# Allegro board 1156197-TDI_VU3P_QSFP28_CXP_V001_1023A-166-20241121_1644_PCB.brd (continued)
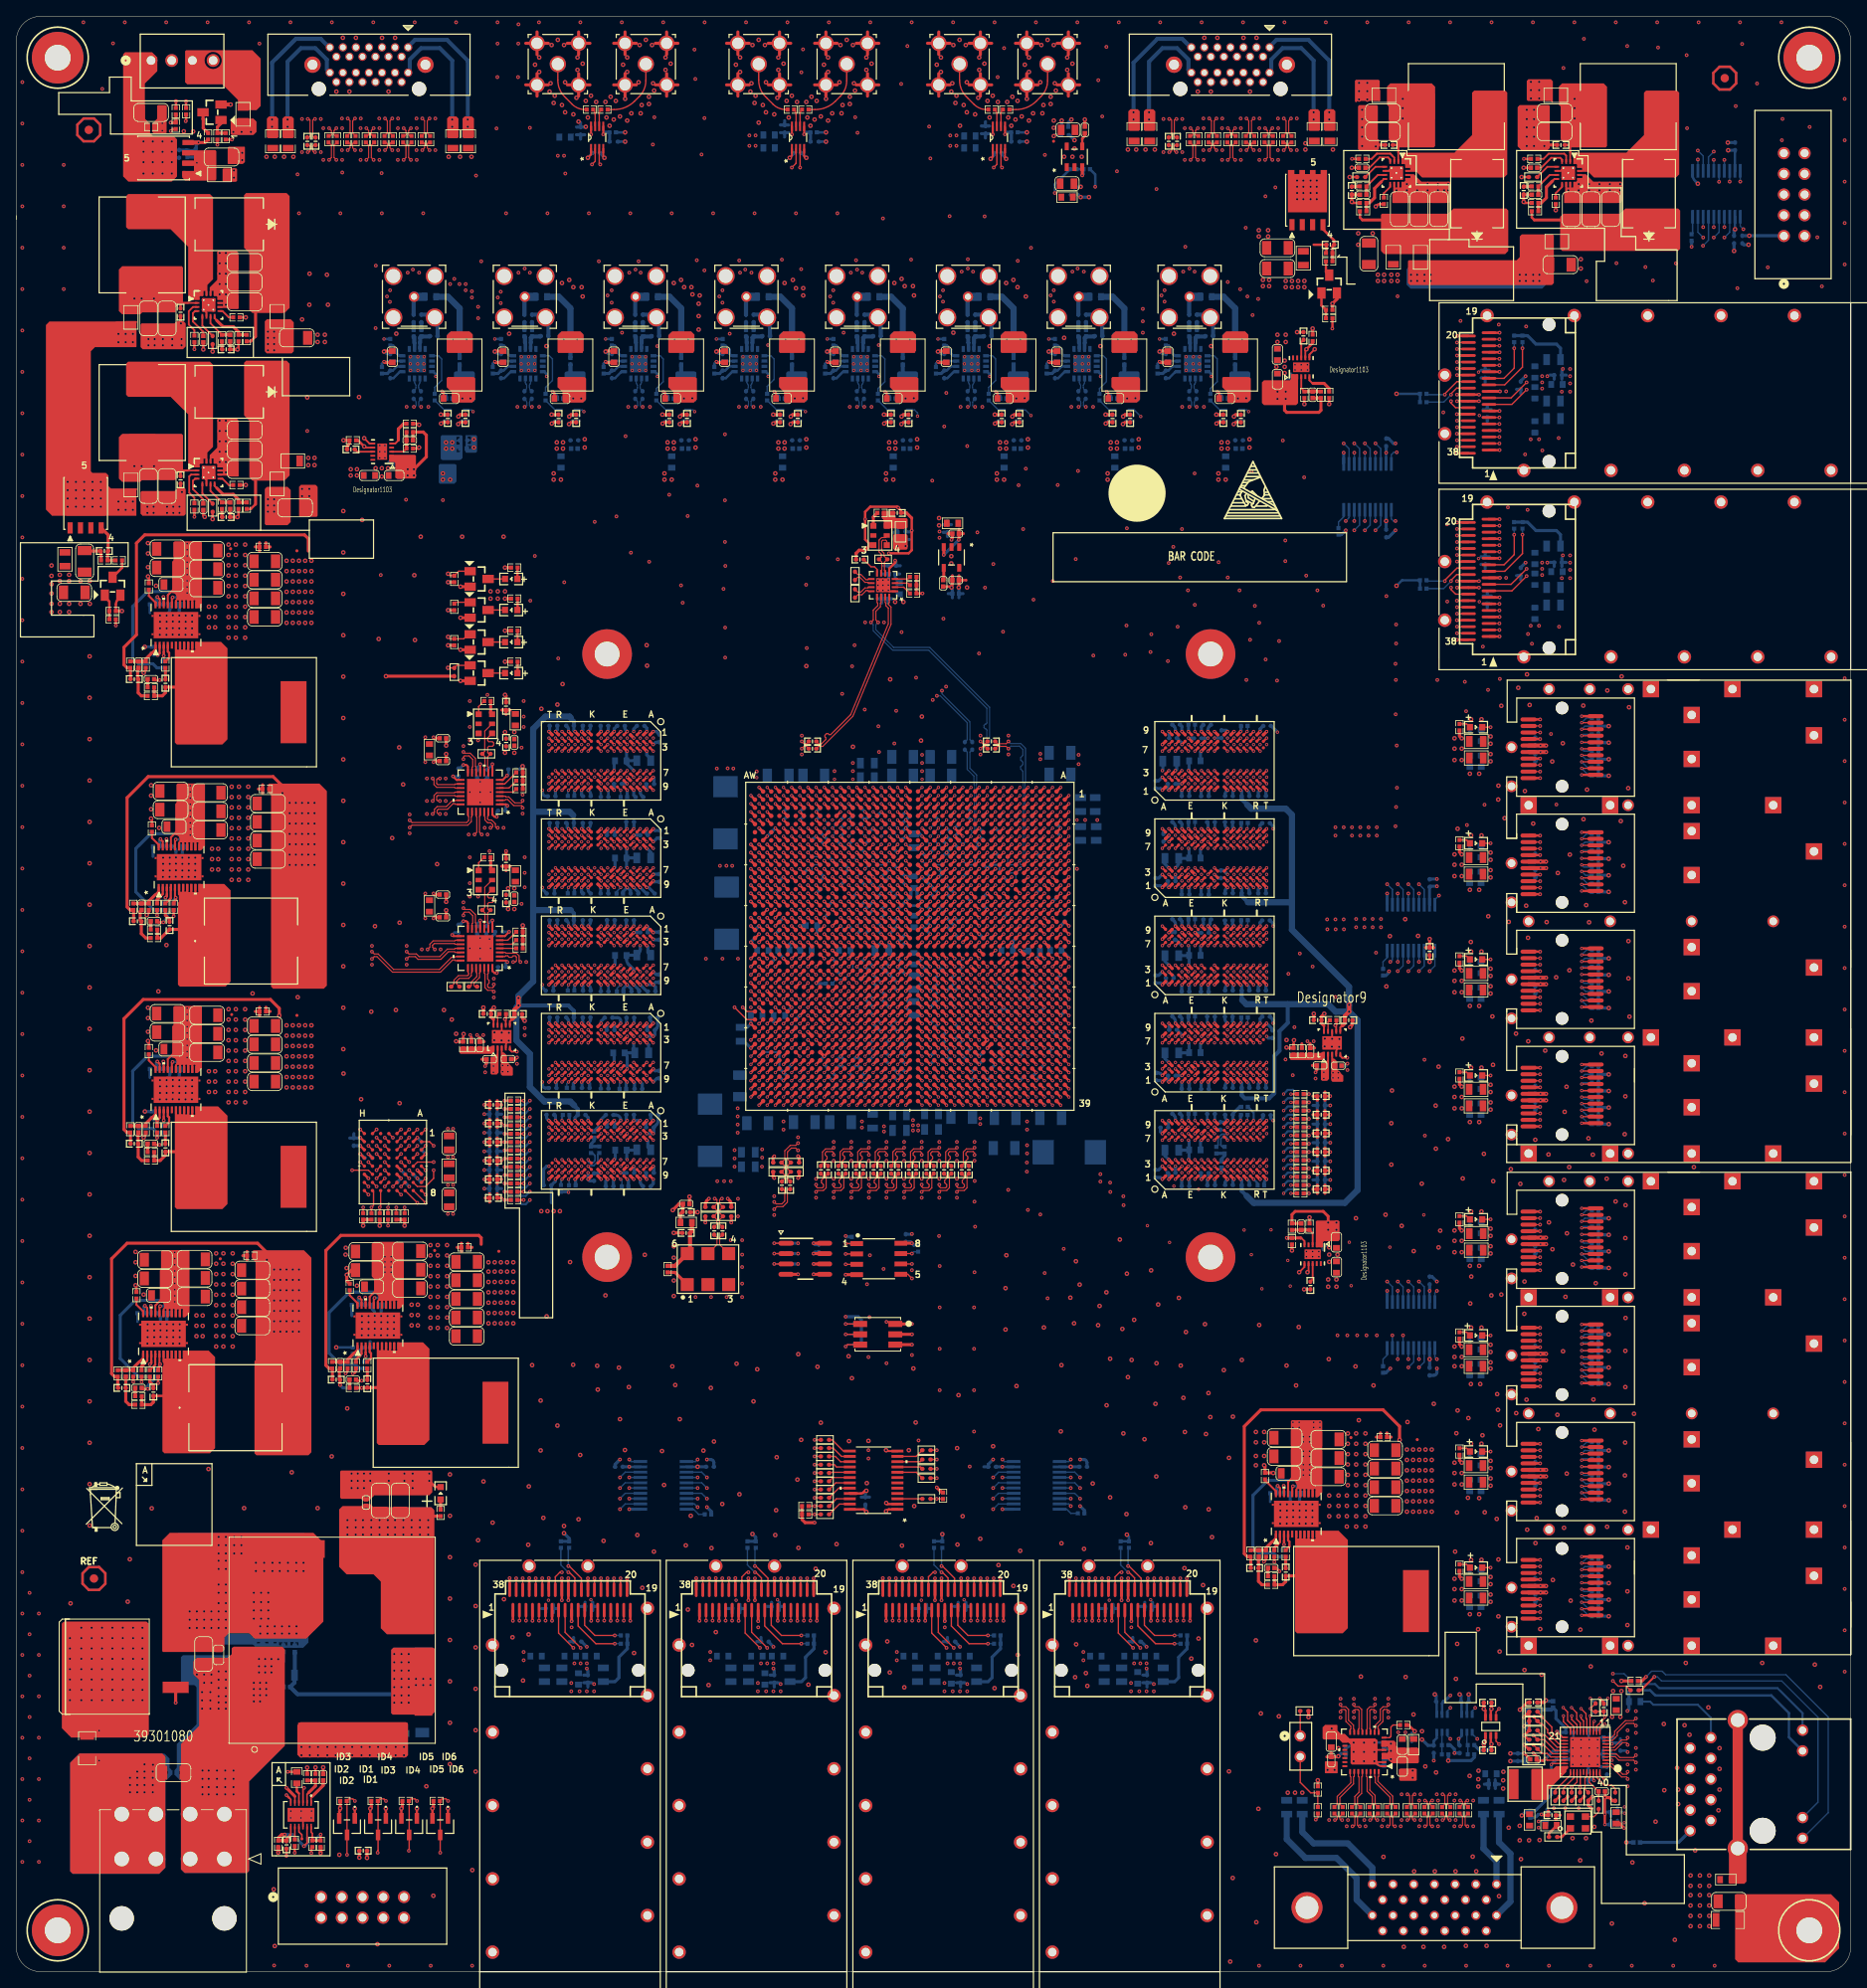
[diagram p0: board, top side]
## Routing (per net, layer and track width the routed paths; a pad name or vN(x,y) marks a point on that pad's centre or on a via; arc(x,y) is an arc through that point) (continued)
C332.2 ; C170.1 U1.J36 v3(121.1,109.36) ; R14.2 v1(115.1,138.36) ; C489.2 184.53,172.35 v1(185.12,172.94) ; C416.2 163.09,111.2 ; C307.2 74.84,116.49 v3(74.93,116.4) ; C298.2 77.35,120.32 v3(76.53,121.14) ; U1.AF24 v1(104.1,122.36) ; v1(108.1,137.36) 107.6,137.86 C121.2 ; C378.2 140.63,147.48 v3(140.56,147.42) ; C878.2 104.65,58.25 ; C878.2 103.63,58.25 ; R16.2 116.62,137.87 v1(117.1,138.36) ; 106.42,172.57 C856.2 ; v3(142.17,104.46) 142.17,104.74 arc(142.13,104.92) 142.02,105.08 C399.2 ; C26.2 v2(209.93,224.5) ; R88.2 68.45,144.93 v3(68.53,145.01) ; C231.2 106.57,114.82 v1(106.1,114.36) ; C295.2 70.42,152.67 arc(70.39,152.52) 70.3,152.39 v3(70.13,152.22) ; v3(72.53,128.34) 72.45,128.42 C243.2 ; R128.1 143.77,128.34 v3(143.77,128.34) ; C419.2 153.86,104.77 v3(154.16,104.46) ; C236.2 64.53,120.8 v3(64.53,121.14) ; v3(143.77,114) 143.85,113.92 C361.2 143.82,112.78 C360.2
  BOTTOM w0.508: C600.1 119.62,202.69 J21.2 118.93,203.38 C594.1 ; C622.1 132.52,203.38 J24.2 133.21,202.69 C625.1 ; C550.1 50.98,203.38 J18.2 51.67,202.69 C553.1 ; C570.1 91.75,203.38 J19.2 92.44,202.69 C576.1 ; C552.1 65.26,202.69 J17.2 64.57,203.38 C546.1 ; C598.1 105.34,203.38 J22.2 106.03,202.69 C601.1 ; C577.1 78.85,202.69 J20.2 78.16,203.38 C574.1 ; C618.1 146.11,203.38 J23.2 146.8,202.69 C624.1
  vias: v1(0.74,231.92) v1(0.74,226.84) v1(0.74,221.76) v1(0.74,216.68) v1(0.74,211.6) v1(0.74,206.52) v1(0.74,201.44) v1(0.74,196.36) v1(0.74,191.28) v1(0.74,186.2) v1(0.74,181.12) v1(0.74,176.04) v1(0.74,170.96) v1(0.74,165.88) v1(0.74,160.8) v1(0.74,155.72) v1(0.74,150.64) v1(0.74,145.56) v1(0.74,140.48) v1(0.74,135.4) v1(0.74,130.32) v1(0.74,125.24) v1(0.74,120.16) v1(0.74,115.08) v1(0.74,110) v1(0.74,104.92) v1(0.74,99.84) v1(0.74,94.76) v1(0.74,89.68) v1(0.74,84.6) v1(0.74,79.52) v1(0.74,74.44) v1(0.74,69.36) v1(0.74,64.28) v1(0.74,59.2) v1(0.74,54.12) v1(0.74,49.04) v1(0.74,43.96) v1(0.74,38.88) v1(0.74,33.8) v1(0.74,28.72) v1(0.74,23.64) v1(0.74,18.56) v1(0.74,13.48) v1(1.63,46.5) v1(1.63,41.42) v1(1.63,36.34) v1(1.63,31.26) v1(1.63,26.18) v1(1.63,21.1) v1(1.63,16.02) v1(2.77,43.96) v1(2.77,38.88) v1(2.77,33.8) v1(2.77,28.72) v1(2.77,23.64) v1(2.77,18.56) v1(2.77,13.48) v1(5.82,221.76) v1(5.82,216.68) v1(5.82,211.6) v1(5.82,206.52) v1(8.23,239.26) v1(10.54,231.09) v1(11.86,236.68) v1(13.31,239.26) v1(17.91,226.87) v1(17.91,225.96) v1(18.39,239.26) v1(23.47,239.26) v1(28.55,239.26) v1(29.82,236.65) v1(31.62,0.76) v1(33.63,239.26) v1(34.49,220.6) v1(34.67,215.82) v1(35.04,227.39) v1(35.04,223.33) v1(35.59,0.74) v1(35.69,189.1) v1(37.35,227.39) v1(37.35,223.33) v1(37.66,226.26) v1(37.66,222.38) v1(38.71,239.26) v1(39.75,215.82) v1(39.94,227.46) v1(39.94,223.57) v1(39.97,226.26) v1(39.97,222.38) v1(39.98,220.83) v1(40.67,0.74) v1(42.23,226.26) v1(42.23,222.38) v1(42.25,227.46) v1(42.25,223.57) v1(43.62,125.91) v1(43.62,123.6) v1(43.79,239.26) v1(44.09,209.4) v1(44.07,201.73) v1(44.51,227.46) v1(44.54,226.26) v1(44.51,223.57) v1(44.54,222.38) v1(44.7,171.42) v1(44.81,220.75) v1(44.83,215.82) v1(45.47,205.61) v1(45.85,206.38) v1(45.82,204.95) v1(45.75,0.74) v1(46.82,227.46) v1(46.8,226.26) v1(46.82,223.57) v1(46.8,222.38) v1(47.8,180.67) v1(47.88,192.07) v1(47.88,125.91) v1(47.88,123.6) v1(48.01,208.53) v1(48.25,142.04) v1(48.25,139.72) v1(48.64,208.91) v1(48.87,239.26) v1(49.09,227.46) v1(49.11,226.26) v1(49.09,223.57) v1(49.11,222.38) v1(49.4,208.53) v1(49.73,125.48) v1(49.91,215.82) v1(50.36,146.45) v1(50.36,143.69) v1(50.36,142.1) v1(50.54,192.07) v1(50.83,0.74) v1(51.4,227.46) v1(51.4,223.57) v1(52.05,125.48) v1(52.32,180.62) v1(52.67,146.45) v1(52.67,143.69) v1(52.67,142.1) v1(52.94,103.46) v1(52.94,93.01) v1(53.21,207.14) v1(53.57,103.46) v1(53.57,93.01) v1(53.72,207.77) v1(53.95,239.26) v1(54.36,207.14) v1(54.84,150.43) v1(54.84,131.25) v1(55.12,207.14) v1(55.12,206.38) v1(55.49,139.57) v1(55.63,155.96) v1(55.63,154.43) v1(55.63,152.78) v1(55.63,151.13) v1(55.63,144.78) v1(55.63,136.78) v1(55.63,135.25) v1(55.63,133.6) v1(55.63,131.95) v1(55.63,125.6) v1(55.68,114.96) v1(55.88,206.25) v1(55.88,205.49) v1(55.91,0.74) v1(56.39,220.45) v1(56.52,114.96) v1(56.64,204.34) v1(56.64,202.95) v1(56.64,151.13) v1(56.64,131.95) v1(56.9,144.78) v1(56.9,143.51) v1(56.9,125.6) v1(56.9,124.33) v1(57.02,209.93) v1(57.28,114.96) v1(57.45,140.4) v1(57.51,111.15) v1(57.51,110.39) v1(57.78,156.72) v1(57.8,139.57) v1(58.04,137.54) v1(58.17,144.78) v1(58.17,125.6) v1(58.57,121.88) v1(58.57,119.57) v1(58.9,226.24) v1(59.03,239.26) v1(59.03,236.65) v1(59,232.54) v1(59.05,205.49) v1(59.42,206.19) v1(59.42,204.8) v1(59.76,140.4) v1(60.07,215.82) v1(61.42,112.22) v1(61.42,111.43) v1(61.54,232.54) v1(61.46,192.07) v1(61.59,239.01) v1(61.57,236.65) v1(61.59,208.53) v1(61.98,150.24) v1(61.98,131.06) v1(62.1,144.45) v1(62.1,142.14) v1(62.23,155.96) v1(62.23,154.05) v1(62.23,152.78) v1(62.23,39.24) v1(62.23,38.23) v1(62.36,209.04) v1(62.36,136.78) v1(62.36,134.87) v1(62.36,133.1) v1(62.54,123.93) v1(62.99,226.31) v1(62.99,208.53) v1(63.04,168.28) v1(63.6,173.76) v1(64.11,239.26) v1(64.13,192.07) v1(65.15,215.82) v1(66.47,161.19) v1(67.21,170.54) v1(67.34,220.7) v1(68.45,37.85) v1(69.19,239.26) v1(69.22,37.85) v1(69.98,37.85) v1(69.98,37.21) v1(70.23,215.82) v1(70.94,177.95) v1(71.45,209.93) v1(72.52,205.74) v1(73.03,206.38) v1(73.03,204.85) v1(73.61,178.61) v1(74.27,239.26) v1(74.3,201.17) v1(74.73,188.47) v1(75.05,192.07) v1(75.18,208.53) v1(75.31,215.82) v1(75.39,174.17) v1(75.95,208.91) v1(76.33,209.93) v1(76.58,208.53) v1(77.62,173.05) v1(77.72,192.07) v1(78.08,224.26) v1(78.26,227.61) v1(78.61,199.52) v1(79.35,239.26) v1(80.09,181.28) v1(80.39,215.82) v1(81.53,170.15) v1(81.74,168.02) v1(82.35,178.66) v1(83.19,235.92) v1(83.29,232.31) v1(83.31,82.8) v1(83.46,210.06) v1(83.54,182.4) v1(84.05,223.04) v1(84.43,239.26) v1(84.4,227.51) v1(84.4,208.81) v1(85.12,39.24) v1(85.12,38.23) v1(85.22,82.8) v1(85.47,215.82) v1(86.23,205.61) v1(86.31,135.74) v1(86.61,206.38) v1(86.61,204.85) v1(86.74,169.72) v1(86.92,188.7) v1(86.92,180.59) v1(86.92,175.49) v1(86.94,164.97) v1(86.94,161.29) v1(86.97,172.54) v1(87.1,135.74) v1(87.12,82.8) v1(87.5,201.04) v1(87.63,89.79) v1(87.81,135.74) v1(88.1,100.84) v1(88.1,99.82) v1(88.1,98.81) v1(88.52,94.87) v1(88.52,92.71) v1(88.64,192.07) v1(88.67,210.03) v1(88.77,208.53) v1(89.03,89.79) v1(89.03,88.01) v1(89.03,86.49) v1(89.03,84.45) v1(89.03,82.8) v1(89.41,208.91) v1(89.51,239.26) v1(90.1,118.36) v1(90.17,208.53) v1(90.55,215.82) v1(91.31,192.07) v1(91.34,37.85) v1(92.1,37.85) v1(92.2,199.64) v1(92.86,37.85) v1(92.86,37.21) v1(92.96,95.18) v1(92.96,92.87) v1(93.9,210.13) v1(94.59,239.26) v1(95.63,215.82) v1(95.89,102.41) v1(96.29,233.12) v1(96.27,208.97) v1(96.35,151.71) v1(96.35,149.4) v1(96.49,235.94) v1(96.88,170.23) v1(96.95,162.46) v1(97.08,173.53) v1(98.1,97.31) v1(98.1,95) v1(99.67,239.26) v1(99.82,205.61) v1(100.2,206.38) v1(100.2,204.85) v1(100.26,101.85) v1(100.26,99.54) v1(100.26,97.31) v1(100.26,95) v1(100.71,215.82) v1(100.76,173.35) v1(101.3,156.84) v1(101.47,201.17) v1(102.23,192.07) v1(102.36,208.53) v1(102.42,101.85) v1(102.42,99.54) v1(102.42,97.31) v1(102.42,95) v1(102.51,160.22) v1(102.82,162.81) v1(102.9,227.61) v1(103,210.06) v1(103.12,208.91) v1(103.17,225.7) v1(103.76,208.53) v1(104.11,165.61) v1(104.06,154.91) v1(104.34,84.38) v1(104.52,75.44) v1(104.58,101.85) v1(104.58,99.54) v1(104.58,97.31) v1(104.58,95) v1(104.65,80.34) v1(104.75,239.26) v1(104.7,87.93) v1(104.9,192.07) v1(105.74,152.86) v1(105.79,199.64) v1(105.82,149.71) v1(106.3,215.19) v1(106.42,165.61) v1(106.38,86.26) v1(106.73,101.85) v1(106.73,99.54) v1(106.73,97.31) v1(106.73,95) v1(106.73,79.76) v1(106.73,74.68) v1(107.7,150.75) v1(107.92,154.76) v1(108,39.24) v1(108,38.23) v1(108.53,231.7) v1(108.58,164.41) v1(108.89,101.85) v1(108.89,99.54) v1(108.89,97.31) v1(108.89,95) v1(109.3,236.35) v1(109.83,239.26) v1(109.75,210.13) v1(109.86,86.11) v1(110.36,158.83) v1(110.67,65.2) v1(111.05,101.85) v1(111.05,99.54) v1(111.05,97.31) v1(111.05,95) v1(111.96,226.47) v1(112.12,222.55) v1(112.34,183.01) v1(112.41,156.09) v1(113.23,176.76) v1(113.23,176) v1(113.21,101.85) v1(113.21,99.54) v1(113.21,97.31) v1(113.21,95) v1(113.18,90.3) v1(113.28,205.61) v1(113.26,86.61) v1(113.26,81.53) v1(113.26,76.45) v1(113.26,71.37) v1(113.67,206.38) v1(113.67,204.98) v1(113.72,166.07) v1(113.82,189.66) v1(114.04,157.73) v1(114.07,193.78) v1(114.22,37.85) v1(114.48,215.47) v1(114.71,175.74) v1(114.91,239.26) v1(114.99,37.85) v1(115.37,101.85) v1(115.37,99.54) v1(115.37,97.31) v1(115.37,95) v1(115.75,37.85) v1(115.75,37.21) v1(115.82,192.07) v1(115.95,208.66) v1(116.64,187.25) v1(116.71,210.19) v1(116.71,209.04) v1(116.94,62) v1(117.35,208.66) v1(117.53,101.85) v1(117.53,99.54) v1(117.53,94.51) v1(117.53,85.85) v1(117.47,81.53) v1(117.47,76.45) v1(117.47,71.37) v1(117.47,66.29) v1(117.55,97.05) v1(117.6,91.44) v1(117.88,176.66) v1(118.08,161.8) v1(118.26,151.71) v1(118.26,149.4) v1(118.49,192.07) v1(118.77,215.44) v1(118.82,169.88) v1(119.84,172.77) v1(119.99,239.26) v1(120.37,232.54) v1(121.03,164.47) v1(121.16,236.09) v1(121.69,151.71) v1(121.69,149.4) v1(121.67,95.96) v1(122.83,209.98) v1(122.94,182.45) v1(123.49,177.06) v1(123.83,184.48) v1(123.95,98.2) v1(124.08,93.5) v1(124.46,211.58) v1(124.76,168.4) v1(125.07,239.26) v1(125.6,92.94) v1(126.14,85.75) v1(126.16,222.99) v1(126.49,82.65) v1(126.87,205.74) v1(127.13,170.69) v1(127.25,206.38) v1(127.25,204.98) v1(127.74,182.47) v1(128.47,88.72) v1(129.41,192.07) v1(129.54,208.66) v1(129.95,173.38) v1(130.15,239.26) v1(130.1,135.36) v1(130.18,209.04) v1(130.23,184.2) v1(130.3,149.36) v1(130.3,148.21) v1(130.94,208.66) v1(130.89,39.24) v1(130.89,38.23) v1(132.08,192.07) v1(132.11,161.54) v1(132.72,232.16) v1(132.97,97.89) v1(132.97,96.98) v1(133.2,227.71) v1(133.71,236.25) v1(134.16,96.85) v1(134.19,95.71) v1(135,220.98) v1(135.23,239.26) v1(135.79,95.17) v1(135.81,94.08) v1(136.02,161.65) v1(136.22,177.16) v1(136.17,165.23) v1(136.65,183.9) v1(137.11,37.85) v1(137.87,37.85) v1(138.18,204.09) v1(138.18,202.56) v1(138.18,201.17) v1(138.63,37.85) v1(138.63,37.21) v1(139.12,161.98) v1(139.22,164.16) v1(139.52,183.95) v1(139.85,218.8) v1(140.31,239.26) v1(140.46,205.74) v1(140.7,227.39) v1(140.7,223.33) v1(140.84,206.38) v1(140.84,204.98) v1(141.25,160.86) v1(141.35,172.9) v1(141.91,174.88) v1(142.44,165.07) v1(142.75,171.12) v1(143.01,227.39) v1(143.01,223.33) v1(143,192.07) v1(142.98,177.06) v1(143.13,208.66) v1(143.32,226.26) v1(143.32,222.38) v1(143.38,211.71) v1(143.71,169.54) v1(143.89,209.04) v1(144.53,208.66) v1(144.53,183.9) v1(144.55,167.77) v1(145.39,239.26) v1(145.61,227.46) v1(145.63,226.26) v1(145.61,223.57) v1(145.63,222.38) v1(145.67,192.07) v1(147.47,173) v1(147.92,227.46) v1(147.89,226.26) v1(147.92,223.57) v1(147.89,222.38) v1(148.59,207.39) v1(148.59,171.12) v1(150.04,169.54) v1(150.11,206.5) v1(150.18,227.46) v1(150.2,226.26) v1(150.18,223.57) v1(150.2,222.38) v1(150.47,239.26) v1(150.8,214.05) v1(150.88,158.55) v1(151,205.61) v1(151.33,163.47) v1(151.51,184.15) v1(151.64,203.33) v1(151.92,167.64) v1(152.32,205.31) v1(152.43,0.74) v1(152.49,227.46) v1(152.46,226.26) v1(152.49,223.57) v1(152.46,222.38) v1(152.45,165.56) v1(153.21,217.91) v1(153.24,161.06) v1(154.43,219) v1(154.64,158.47) v1(154.75,227.46) v1(154.75,223.57) v1(154.77,226.26) v1(154.77,222.38) v1(154.89,163.32) v1(155.35,187.93) v1(155.55,239.26) v1(155.65,175.67) v1(155.65,173.13) v1(155.68,111.96) v1(156.03,122.48) v1(156.57,110.03) v1(156.77,115.93) v1(157.06,227.46) v1(157.06,223.57) v1(157.43,124.97) v1(157.51,0.74) v1(157.96,183.41) v1(158.22,171.35) v1(158.37,114.2) v1(159,123.37) v1(159.13,114.2) v1(159.36,110.39) v1(159.36,109.63) v1(159.59,169.54) v1(160.3,167.67) v1(160.63,239.26) v1(161.02,18.62) v1(162.42,33.5) v1(162.42,31.19) v1(162.59,0.74) v1(163.18,17.85) v1(163.27,111.46) v1(163.27,110.67) v1(163.33,18.62) v1(164.06,33.5) v1(164.06,31.19) v1(165.34,18.62) v1(165.49,17.85) v1(165.71,239.26) v1(166.65,33.5) v1(166.65,31.19) v1(166.78,125.07) v1(167.5,17.85) v1(167.65,18.62) v1(167.67,0.74) v1(168.05,168.83) v1(168.29,33.5) v1(168.29,31.19) v1(169.24,165.35) v1(169.24,163.02) v1(169.16,160.53) v1(169.21,158.55) v1(169.19,154.33) v1(169.24,142.95) v1(169.16,140.59) v1(169.32,150.5) v1(169.34,145.31) v1(169.42,205.64) v1(169.49,29.39) v1(169.81,17.85) v1(169.91,21.77) v1(169.91,18.62) v1(170.38,29.39) v1(170.79,239.26) v1(172.07,21.01) v1(172.07,17.85) v1(172.22,21.77) v1(172.22,18.62) v1(172.72,111.94) v1(172.77,102.62) v1(172.75,0.74) v1(174.23,21.77) v1(174.23,18.62) v1(174.29,158.55) v1(174.38,21.01) v1(174.38,17.85) v1(175.03,191.39) v1(175.49,177.65) v1(175.51,168.17) v1(175.87,239.26) v1(176.39,21.01) v1(176.39,17.85) v1(176.54,21.77) v1(176.54,18.62) v1(177.14,202.62) v1(177.67,158.32) v1(177.83,154.71) v1(177.83,0.74) v1(177.93,140.74) v1(178.7,21.01) v1(178.7,17.85) v1(179.88,162.64) v1(180.09,143.23) v1(180.52,157.33) v1(180.95,239.26) v1(181.84,202.16) v1(181.97,158.67) v1(182.91,0.74) v1(182.96,179.73) v1(185.06,186.23) v1(185.19,201.93) v1(185.37,179.43) v1(185.42,164.19) v1(185.76,188.08) v1(185.76,165.2) v1(185.9,162.99) v1(186.03,239.26) v1(186.77,188.08) v1(186.77,165.2) v1(187.15,195.83) v1(187.15,195.07) v1(187.15,194.31) v1(187.17,186.72) v1(187.15,172.94) v1(187.15,172.18) v1(187.15,171.42) v1(187.79,195.83) v1(187.79,172.94) v1(187.99,0.74) v1(188.24,151.92) v1(188.59,20.07) v1(188.9,143.26) v1(189.18,188.24) v1(189.23,165.07) v1(189.76,233.65) v1(189.99,20.07) v1(190.91,25.43) v1(191.11,239.26) v1(191.64,20.07) v1(191.92,28.48) v1(191.92,27.46) v1(191.92,26.45) v1(191.92,25.43) v1(192.28,237.24) v1(192.61,207.49) v1(192.94,27.46) v1(192.94,26.45) v1(193.07,0.74) v1(193.96,27.46) v1(196.19,239.26) v1(196.27,209.7) v1(197.59,236.35) v1(197.64,29.62) v1(197.64,25.43) v1(197.64,22.76) v1(198.15,0.74) v1(198.65,31.98) v1(198.65,29.32) v1(198.65,27.46) v1(198.65,24.79) v1(199.82,209.22) v1(200.74,207.57) v1(201.27,239.26) v1(201.37,236.17) v1(203.23,0.74) v1(203.56,209.68) v1(204.88,235.23) v1(204.93,226.26) v1(206.35,239.26) v1(208.31,0.74) v1(210.9,228.98) v1(211.1,206.63) v1(211.43,239.26) v1(211.68,236.6) v1(213.51,231.75) v1(214.83,209.19) v1(216.51,239.26) v1(216.64,227.41) v1(216.56,224.79) v1(219.96,226.42) v1(220.9,212.88) v1(221.46,206.86) v1(224.26,229.87) v1(224.26,224.79) v1(224.26,219.71) v1(224.26,214.63) v1(224.26,209.55) v1(224.26,158.75) v1(224.26,153.67) v1(224.26,148.59) v1(224.26,143.51) v1(224.26,138.43) v1(224.26,133.35) v1(224.26,128.27) v1(224.26,123.19) v1(224.26,118.11) v1(224.26,113.03) v1(224.26,107.95) v1(224.26,102.87) v1(224.26,97.79) v1(224.26,92.71) v1(224.26,87.63) v1(224.26,82.55) v1(224.26,77.47) v1(224.26,72.39) v1(224.26,67.31) v1(224.26,62.23) v1(224.26,57.15) v1(224.26,52.07) v1(224.26,46.99) v1(224.26,41.91) v1(224.26,36.83) v2(6.65,45.21) v2(7.87,170.69) v2(7.87,167.89) v2(9.02,170.69) v2(9.02,167.89) v2(8.99,161.44) v2(8.99,156.36) v2(8.99,151.28) v2(8.99,146.2) v2(8.99,141.12) v2(8.99,136.04) v2(8.99,130.96) v2(8.99,125.88) v2(8.99,120.8) v2(8.99,115.72) v2(8.99,110.64) v2(8.99,105.56) v2(8.99,100.48) v2(8.99,95.4) v2(8.99,90.32) v2(8.99,85.24) v2(8.99,80.16) v2(8.99,75.08) v2(8.99,70) v2(8.99,64.92) v2(8.99,59.84) v2(8.99,54.76) v2(13.67,45.42) v2(13.92,50.62) v2(14.63,88.34) v2(14.63,87.07) v2(14.63,85.4) v2(15.62,83.11) v2(16.08,179.81) v2(16.08,179.04) v2(16.1,79.46) v2(16.1,78.69) v2(16.1,77.88) v2(16.08,77.09) v2(16.21,200.38) v2(16.21,199.62) v2(16.15,175.34) v2(16.15,174.07) v2(16.15,172.39) v2(16.15,118.32) v2(16.15,117.05) v2(16.15,115.37) v2(16.54,145.62) v2(16.54,144.35) v2(16.54,142.67) v2(16.61,56.87) v2(16.84,179.81) v2(16.84,179.04) v2(16.92,79.46) v2(16.92,78.69) v2(16.92,77.88) v2(16.89,77.09) v2(16.97,200.38) v2(16.97,199.62) v2(17.14,170.1) v2(17.14,113.08) v2(17.42,120.32) v2(17.53,140.39) v2(17.63,166.45) v2(17.63,165.69) v2(17.63,164.88) v2(17.6,164.09) v2(17.63,109.43) v2(17.63,108.67) v2(17.63,107.85) v2(17.6,107.07) v2(17.68,78.72) v2(17.68,77.91) v2(17.65,77.12) v2(17.98,200.38) v2(17.98,199.62) v2(18.01,136.73) v2(18.01,135.97) v2(18.01,135.16) v2(17.98,134.37) v2(18.44,166.45) v2(18.44,165.69) v2(18.44,164.88) v2(18.41,164.09) v2(18.41,126.01) v2(18.44,109.43) v2(18.44,108.67) v2(18.44,107.85) v2(18.41,107.07) v2(18.44,77.09) v2(18.49,179.81) v2(18.49,179.04) v2(18.47,78.69) v2(18.47,77.88) v2(18.82,136.73) v2(18.82,135.97) v2(18.82,135.16) v2(18.8,134.37) v2(19.13,200.38) v2(19.13,199.62) v2(19.2,166.48) v2(19.2,165.72) v2(19.2,164.9) v2(19.18,164.11) v2(19.2,109.45) v2(19.2,108.69) v2(19.2,107.88) v2(19.18,107.09) v2(19.23,77.09) v2(19.25,179.81) v2(19.25,179.04) v2(19.25,79.46) v2(19.25,78.69) v2(19.25,77.88) v2(19.58,136) v2(19.58,135.18) v2(19.56,134.4) v2(20.02,179.81) v2(20.02,179.04) v2(19.99,165.69) v2(19.99,164.88) v2(19.96,164.09) v2(19.99,109.43) v2(19.99,108.67) v2(19.99,107.85) v2(19.96,107.07) v2(20.04,79.46) v2(20.04,78.69) v2(20.04,77.88) v2(20.01,77.09) v2(20.27,200.38) v2(20.27,199.62) v2(20.34,134.37) v2(20.37,135.97) v2(20.37,135.16) v2(20.55,225.88) v2(20.78,166.45) v2(20.78,165.69) v2(20.78,164.88) v2(20.75,164.09) v2(20.78,109.43) v2(20.78,108.67) v2(20.78,107.85) v2(20.75,107.07) v2(21.13,134.37) v2(21.16,136.73) v2(21.16,135.97) v2(21.16,135.16) v2(21.54,164.09) v2(21.54,107.07) v2(21.56,166.45) v2(21.56,165.69) v2(21.56,164.88) v2(21.56,109.43) v2(21.56,108.67) v2(21.56,107.85) v2(21.69,225.86) v2(21.95,136.73) v2(21.95,135.97) v2(21.95,135.16) v2(21.92,134.37) v2(22.1,80.54) v2(22.1,79.27) v2(22.1,78) v2(22.86,80.54) v2(22.86,79.27) v2(22.86,78) v2(23.62,167.54) v2(23.62,166.27) v2(23.62,165) v2(23.62,110.52) v2(23.62,109.25) v2(23.62,107.98) v2(23.57,61.7) v2(24,137.82) v2(24,136.55) v2(24,135.28) v2(24.38,167.54) v2(24.38,166.27) v2(24.38,165) v2(24.38,110.52) v2(24.38,109.25) v2(24.38,107.98) v2(24.51,88.16) v2(24.51,86.89) v2(24.51,85.62) v2(24.51,84.35) v2(24.51,83.08) v2(24.51,81.81) v2(24.51,80.54) v2(24.51,79.27) v2(24.51,78) v2(24.51,76.73) v2(24.77,137.82) v2(24.77,136.55) v2(24.77,135.28) v2(24.94,210.95) v2(24.94,209.68) v2(24.94,208.41) v2(24.94,207.14) v2(24.94,205.87) v2(24.94,190.37) v2(24.94,189.1) v2(24.94,187.83) v2(24.94,186.56) v2(24.94,185.29) v2(25.4,88.16) v2(25.4,86.89) v2(25.4,85.62) v2(25.4,84.35) v2(25.4,83.08) v2(25.4,81.81) v2(25.4,80.54) v2(25.4,79.27) v2(25.4,78) v2(25.4,76.73) v2(25.7,210.95) v2(25.7,209.68) v2(25.7,208.41) v2(25.7,207.14) v2(25.7,205.87) v2(25.7,204.6) v2(25.7,190.37) v2(25.7,189.1) v2(25.7,187.83) v2(25.7,186.56) v2(25.7,185.29) v2(25.7,184.02) v2(26.04,175.16) v2(26.04,173.89) v2(26.04,172.62) v2(26.04,171.35) v2(26.04,170.08) v2(26.04,168.81) v2(26.04,167.54) v2(26.04,166.27) v2(26.04,165) v2(26.04,163.73) v2(26.04,118.14) v2(26.04,116.87) v2(26.04,115.6) v2(26.04,114.33) v2(26.04,113.06) v2(26.04,111.79) v2(26.04,110.52) v2(26.04,109.25) v2(26.04,107.98) v2(26.04,106.71) v2(26.42,145.44) v2(26.42,144.17) v2(26.42,142.9) v2(26.42,141.63) v2(26.42,140.36) v2(26.42,139.09) v2(26.42,137.82) v2(26.42,136.55) v2(26.42,135.28) v2(26.42,134.01) v2(26.54,88.16) v2(26.54,86.89) v2(26.54,85.62) v2(26.54,84.35) v2(26.54,83.08) v2(26.54,81.81) v2(26.54,80.54) v2(26.54,79.27) v2(26.54,78) v2(26.54,76.73) v2(26.62,225.81) v2(26.92,175.16) v2(26.92,173.89) v2(26.92,172.62) v2(26.92,171.35) v2(26.92,170.08) v2(26.92,168.81) v2(26.92,167.54) v2(26.92,166.27) v2(26.92,165) v2(26.92,163.73) v2(26.92,118.14) v2(26.92,116.87) v2(26.92,115.6) v2(26.92,114.33) v2(26.92,113.06) v2(26.92,111.79) v2(26.92,110.52) v2(26.92,109.25) v2(26.92,107.98) v2(26.92,106.71) v2(27.3,145.44) v2(27.3,144.17) v2(27.3,142.9) v2(27.3,141.63) v2(27.3,140.36) v2(27.3,139.09) v2(27.3,137.82) v2(27.3,136.55) v2(27.3,135.28) v2(27.3,134.01) v2(27.64,225.81) v2(27.71,223.24) v2(27.71,222.35) v2(27.94,56.9) v2(28.07,175.16) v2(28.07,173.89) v2(28.07,172.62) v2(28.07,171.35) v2(28.07,170.08) v2(28.07,168.81) v2(28.07,167.54) v2(28.07,166.27) v2(28.07,165) v2(28.07,163.73) v2(28.07,118.14) v2(28.07,116.87) v2(28.07,115.6) v2(28.07,114.33) v2(28.07,113.06) v2(28.07,111.79) v2(28.07,110.52) v2(28.07,109.25) v2(28.07,107.98) v2(28.07,106.71) v2(28.45,145.44) v2(28.45,144.17) v2(28.45,142.9) v2(28.45,141.63) v2(28.45,140.36) v2(28.45,139.09) v2(28.45,137.82) v2(28.45,136.55) v2(28.45,135.28) v2(28.45,134.01) v2(28.78,225.81) v2(28.98,120.07) v2(30.68,222.76) v2(31.57,10.11) v2(31.7,222.76) v2(31.7,3.15) v2(32.84,222.76) v2(33.78,61.29) v2(33.99,222.76) v2(34.52,119.61) v2(34.98,27.58) v2(34.98,26.57) v2(35.05,202.79) v2(35.05,181.99) v2(35.05,181.1) v2(35.69,193.22) v2(35.94,204.6) v2(35.94,181.99) v2(35.94,181.1) v2(35.97,208.41) v2(35.99,27.58) v2(35.99,26.57) v2(36.96,200.91) v2(36.96,200.03) v2(36.96,56.9) v2(37.01,27.58) v2(37.01,26.57) v2(37.85,200.91) v2(37.85,200.03) v2(38.1,208.28) v2(38.23,204.6) v2(38.15,27.58) v2(38.15,26.57) v2(38.68,63.25) v2(39.17,27.58) v2(39.17,26.57) v2(39.26,230.76) v2(39.62,14.35) v2(40.06,237.36) v2(40.11,179.27) v2(40.11,174.19) v2(40.11,169.11) v2(40.11,164.03) v2(40.11,158.95) v2(40.11,153.87) v2(40.11,148.79) v2(40.11,143.71) v2(40.11,138.63) v2(40.11,133.55) v2(40.11,128.47) v2(40.11,123.39) v2(40.11,118.31) v2(40.11,113.23) v2(40.13,110.24) v2(40.18,27.58) v2(40.18,26.57) v2(40.41,88.85) v2(40.39,88.01) v2(40.51,86.36) v2(40.59,69.14) v2(40.86,230.76) v2(41.12,61.14) v2(41.12,60.25) v2(41.12,59.36) v2(41.2,27.58) v2(41.2,26.57) v2(41.66,237.36) 